# KiCad board Z3660_v023.kicad_pcb
title: Z3660 by sHaNsHe (Double H Tech); date: 2026-03-28; rev: v0.23; note: v0.21a Changed Array Networks / v0.21b Changed the 060 socket; note: v0.21c version wrongly named / v0.21d Changed fan header to right angle and three pins; note: v0.21e Top and bottom expanded 0.3 mm / v.022 Add CPLD programming with PCF8475; note: v0.23 Moved ZTurn 5mm towards the 060 and connected BOSS to DBG3
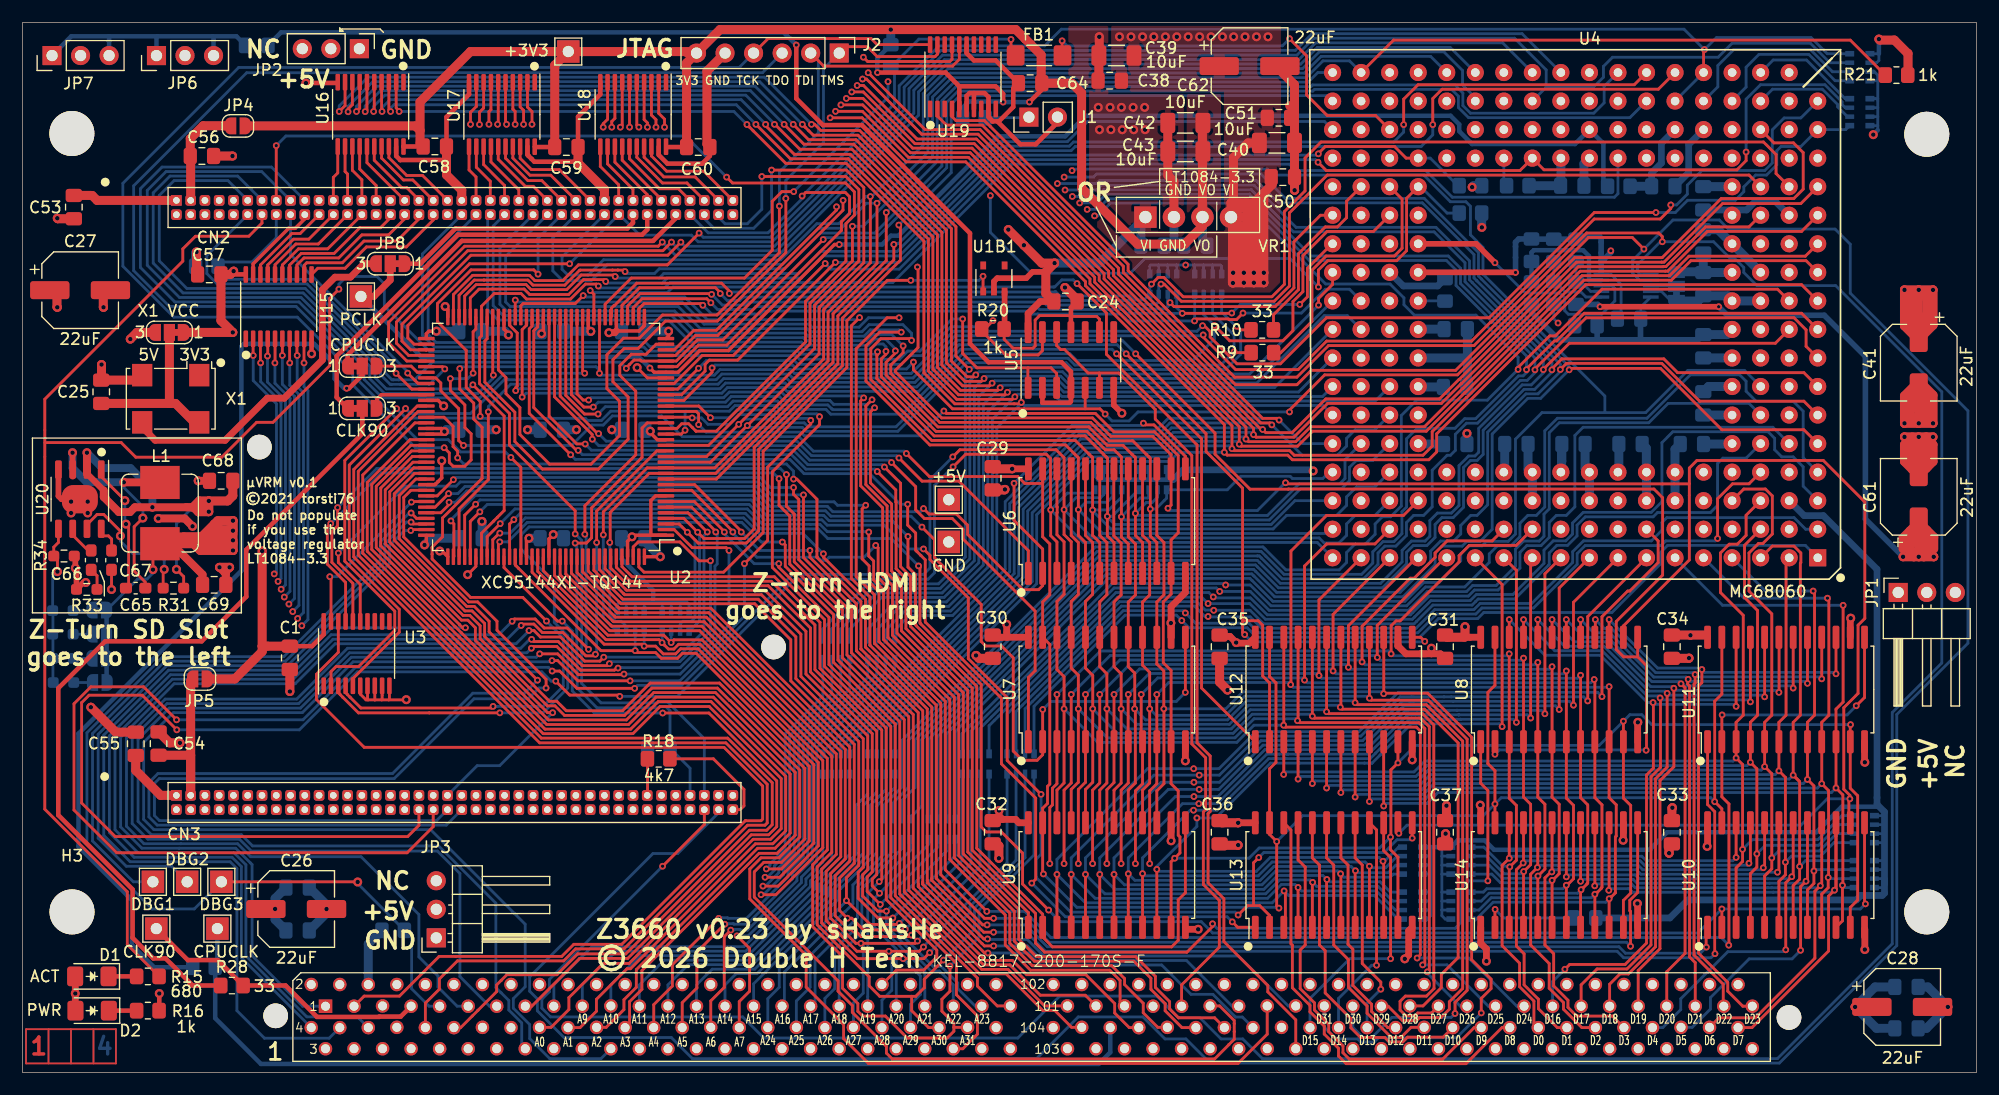
[diagram p0: board, top side]
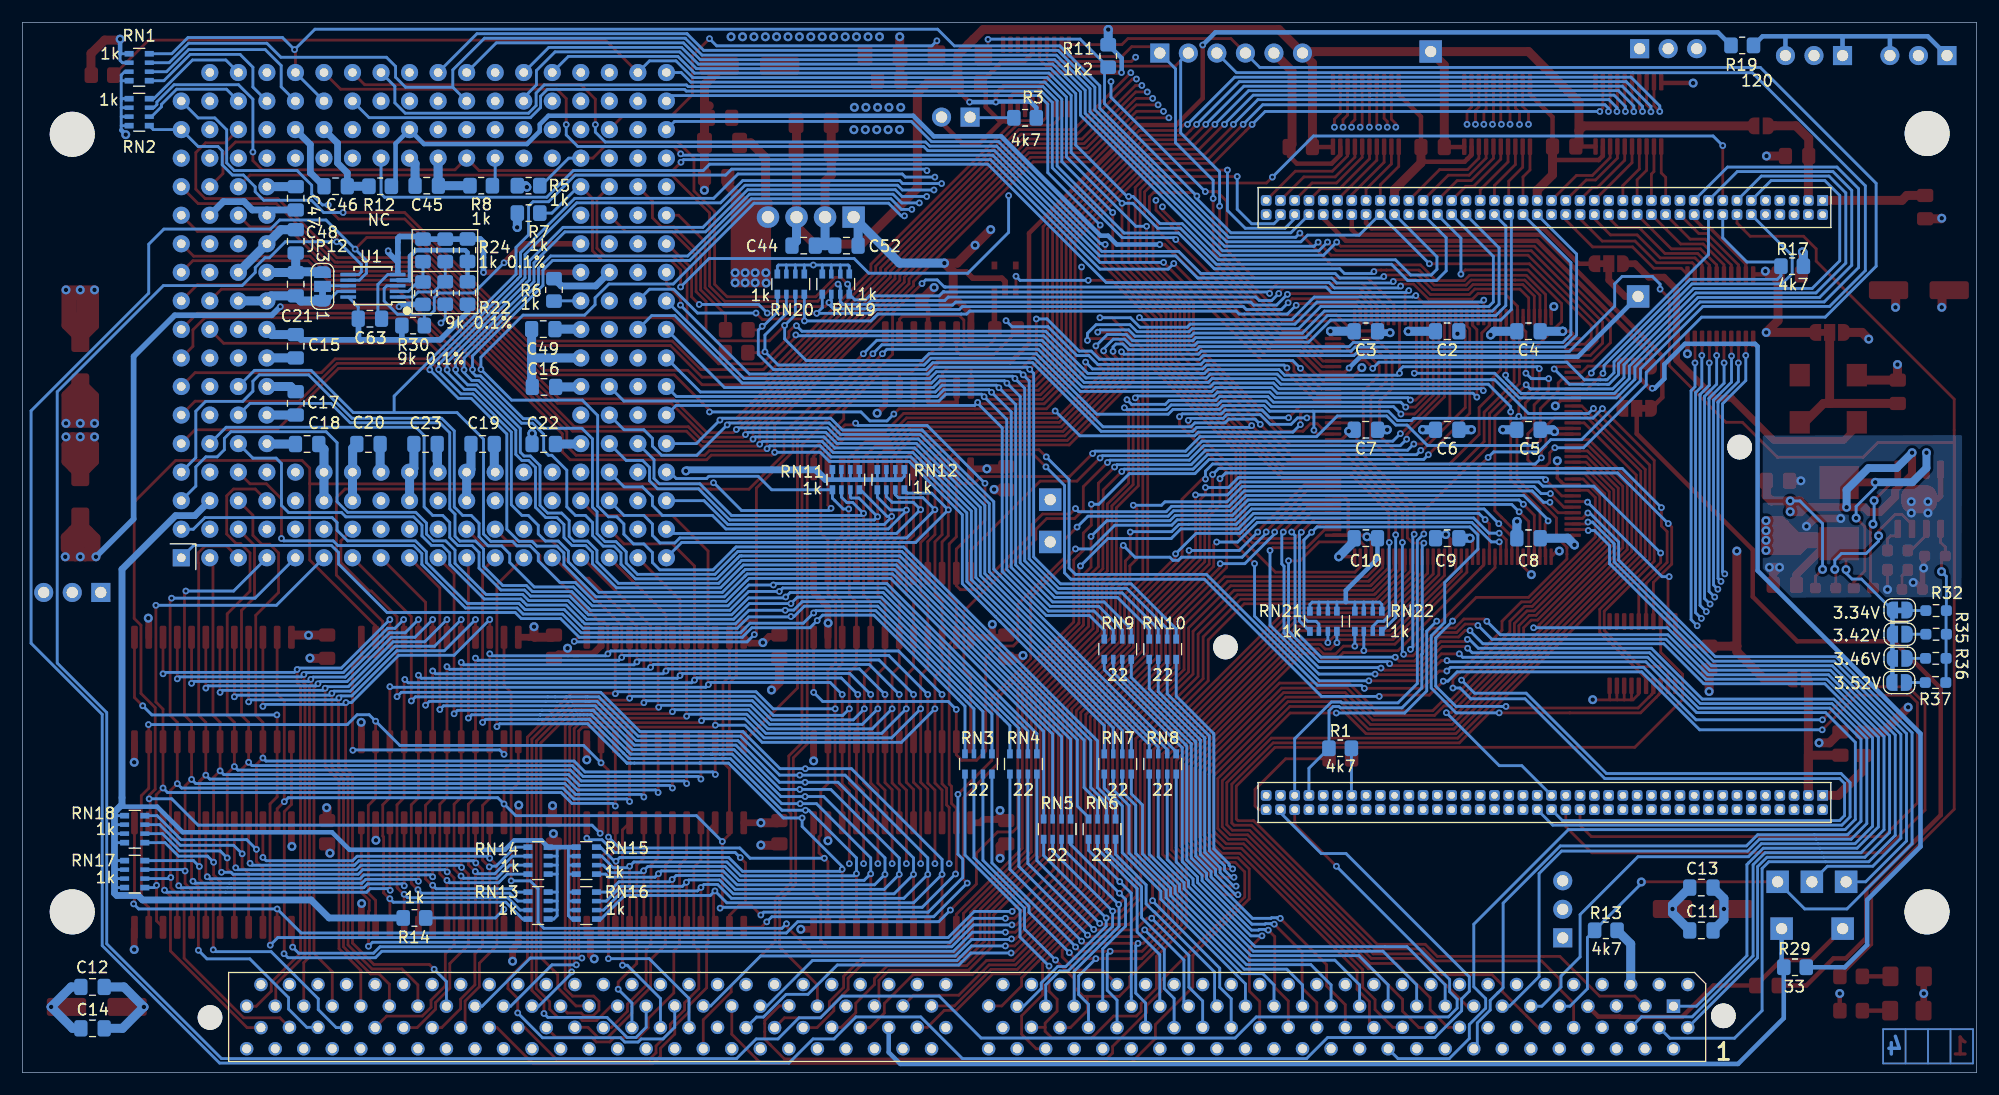
[diagram p1: board, bottom side, seen from below]

Outline 173.93 x 93.44 mm; copper layers: Top, In1.Cu, In2.Cu, Bottom. Coordinates in mm from the lower left corner of the outline.
Outline path: 0,93.44 173.93,93.44 173.93,0 0,0 0,93.44
Stack: Top 0.035mm / dielectric 0.48mm FR4 er 4.5 / In1.Cu 0.035mm / dielectric 0.48mm FR4 er 4.5 / In2.Cu 0.035mm / dielectric 0.48mm FR4 er 4.5 / Bottom 0.035mm

## Placement (name value [footprint] x y rotation side)
C1  100nF  [C_0805_2012Metric_Pad1.18x1.45mm_HandSolder]  23.79 36.9 270 top
C2  100nF  [C_0805_2012Metric_Pad1.18x1.45mm_HandSolder]  47.12 65.96 0 bottom
C3  100nF  [C_0805_2012Metric_Pad1.18x1.45mm_HandSolder]  54.36 65.96 0 bottom
C4  100nF  [C_0805_2012Metric_Pad1.18x1.45mm_HandSolder]  39.88 65.96 0 bottom
C5  100nF  [C_0805_2012Metric_Pad1.18x1.45mm_HandSolder]  39.88 57.2 180 bottom
C6  100nF  [C_0805_2012Metric_Pad1.18x1.45mm_HandSolder]  47.12 57.2 0 bottom
C7  100nF  [C_0805_2012Metric_Pad1.18x1.45mm_HandSolder]  54.36 57.2 0 bottom
C8  100nF  [C_0805_2012Metric_Pad1.18x1.45mm_HandSolder]  39.88 47.54 180 bottom
C9  100nF  [C_0805_2012Metric_Pad1.18x1.45mm_HandSolder]  47.12 47.54 180 bottom
C10  100nF  [C_0805_2012Metric_Pad1.18x1.45mm_HandSolder]  54.36 47.54 0 bottom
C11  100nF  [C_0805_2012Metric_Pad1.18x1.45mm_HandSolder]  24.49 12.64 0 bottom
C12  100nF  [C_0805_2012Metric_Pad1.18x1.45mm_HandSolder]  167.69 7.62 0 bottom
C13  100nF  [C_0805_2012Metric_Pad1.18x1.45mm_HandSolder]  24.49 16.45 0 bottom
C14  100nF  [C_0805_2012Metric_Pad1.18x1.45mm_HandSolder]  167.69 3.93 0 bottom
C15  100nF  [C_0805_2012Metric_Pad1.18x1.45mm_HandSolder]  149.61 64.63 270 bottom
C16  100nF  [C_0805_2012Metric_Pad1.18x1.45mm_HandSolder]  127.51 61.01 0 bottom
C17  100nF  [C_0805_2012Metric_Pad1.18x1.45mm_HandSolder]  149.61 59.55 270 bottom
C18  100nF  [C_0805_2012Metric_Pad1.18x1.45mm_HandSolder]  148.59 55.93 180 bottom
C19  100nF  [C_0805_2012Metric_Pad1.18x1.45mm_HandSolder]  132.97 55.93 0 bottom
C20  100nF  [C_0805_2012Metric_Pad1.18x1.45mm_HandSolder]  143.13 55.93 0 bottom
C21  100nF  [C_0805_2012Metric_Pad1.18x1.45mm_HandSolder]  149.61 70.15 270 bottom
C22  100nF  [C_0805_2012Metric_Pad1.18x1.45mm_HandSolder]  127.53 55.93 0 bottom
C23  100nF  [C_0805_2012Metric_Pad1.18x1.45mm_HandSolder]  138.05 55.93 0 bottom
C24  100nF  [C_0805_2012Metric_Pad1.18x1.45mm_HandSolder]  92.84 68.61 0 top
C25  100nF  [C_0805_2012Metric_Pad1.18x1.45mm_HandSolder]  7.01 60.57 90 top
C26  22uF  [CP_Elec_6.3x5.4]  24.36 14.55 0 top
C27  22uF  [CP_Elec_6.3x3.9]  5.13 69.62 0 top
C28  22uF  [CP_Elec_6.3x5.4]  167.31 5.84 0 top
C29  100nF  [C_0805_2012Metric_Pad1.18x1.45mm_HandSolder]  86.36 52.88 270 top
C30  100nF  [C_0805_2012Metric_Pad1.18x1.45mm_HandSolder]  86.36 37.89 270 top
C31  100nF  [C_0805_2012Metric_Pad1.18x1.45mm_HandSolder]  126.62 37.89 270 top
C32  100nF  [C_0805_2012Metric_Pad1.18x1.45mm_HandSolder]  86.36 21.38 270 top
C33  100nF  [C_0805_2012Metric_Pad1.18x1.45mm_HandSolder]  146.81 21.38 270 top
C34  100nF  [C_0805_2012Metric_Pad1.18x1.45mm_HandSolder]  146.81 37.89 270 top
C35  100nF  [C_0805_2012Metric_Pad1.18x1.45mm_HandSolder]  106.55 37.89 270 top
C36  100nF  [C_0805_2012Metric_Pad1.18x1.45mm_HandSolder]  106.55 21.38 270 top
C37  100nF  [C_0805_2012Metric_Pad1.18x1.45mm_HandSolder]  126.62 21.38 270 top
C38  100nF  [C_0805_2012Metric_Pad1.18x1.45mm_HandSolder]  96.77 88.26 180 top
C39  10uF  [C_1206_3216Metric_Pad1.33x1.80mm_HandSolder]  97.37 90.5 180 top
C40  10uF  [C_1206_3216Metric_Pad1.33x1.80mm_HandSolder]  111.66 82.72 0 top
C41  22uF  [CP_Elec_6.3x5.4]  168.78 63.17 270 top
C42  10uF  [C_1206_3216Metric_Pad1.33x1.80mm_HandSolder]  103.51 84.5 180 top
C43  10uF  [C_1206_3216Metric_Pad1.33x1.80mm_HandSolder]  103.51 81.96 180 top
C44  100nF  [C_0805_2012Metric_Pad1.18x1.45mm_HandSolder]  104.39 73.58 180 bottom
C45  100nF  [C_0805_2012Metric_Pad1.18x1.45mm_HandSolder]  137.94 78.91 0 bottom
C46  100nF  [C_0805_2012Metric_Pad1.18x1.45mm_HandSolder]  146.05 78.86 180 bottom
C47  100nF  [C_0805_2012Metric_Pad1.18x1.45mm_HandSolder]  149.61 77.79 270 bottom
C48  100nF  [C_0805_2012Metric_Pad1.18x1.45mm_HandSolder]  149.61 73.96 90 bottom
C49  100nF  [C_0805_2012Metric_Pad1.18x1.45mm_HandSolder]  127.57 66.15 0 bottom
C50  100nF  [C_0805_2012Metric_Pad1.18x1.45mm_HandSolder]  112.18 79.68 0 top
C51  100nF  [C_0805_2012Metric_Pad1.18x1.45mm_HandSolder]  111.84 84.96 0 top
C52  100nF  [C_0805_2012Metric_Pad1.18x1.45mm_HandSolder]  100.58 73.58 0 bottom
C53  100nF  [C_0805_2012Metric_Pad1.18x1.45mm_HandSolder]  4.57 77.01 270 top
C54  100nF  [C_0805_2012Metric_Pad1.18x1.45mm_HandSolder]  12.12 29.27 90 top
C55  100nF  [C_0805_2012Metric_Pad1.18x1.45mm_HandSolder]  10.08 29.25 90 top
C56  100nF  [C_0805_2012Metric_Pad1.18x1.45mm_HandSolder]  15.97 81.55 0 top
C57  100nF  [C_0805_2012Metric_Pad1.18x1.45mm_HandSolder]  16.63 71.02 180 top
C58  100nF  [C_0805_2012Metric_Pad1.18x1.45mm_HandSolder]  36.7 82.4 0 top
C59  100nF  [C_0805_2012Metric_Pad1.18x1.45mm_HandSolder]  48.41 82.35 0 top
C60  100nF  [C_0805_2012Metric_Pad1.18x1.45mm_HandSolder]  60.15 82.35 0 top
C61  22uF  [CP_Elec_6.3x5.4]  168.78 51.23 90 top
C62  22uF  [CP_Elec_6.3x5.4]  109.22 89.56 0 top
C63  100nF  [C_0805_2012Metric_Pad1.18x1.45mm_HandSolder]  143 67.08 180 bottom
C64  100nF  [C_0805_2012Metric_Pad1.18x1.45mm_HandSolder]  89.69 88.03 180 top
C65  10nF  [C_0603_1608Metric_Pad1.08x0.95mm_HandSolder]  10.07 43.11 0 top
C66  3.9nF  [C_0603_1608Metric_Pad1.08x0.95mm_HandSolder]  6.12 45.59 90 top
C67  100nF  [C_0603_1608Metric_Pad1.08x0.95mm_HandSolder]  7.93 45.59 90 top
C68  10uF  [C_0805_2012Metric_Pad1.18x1.45mm_HandSolder]  17.69 52.66 180 top
C69  22uF  [C_0805_2012Metric_Pad1.18x1.45mm_HandSolder]  17.07 43.4 0 top
CN1  KEL-8817-200-170S-F  [xIP-200]  89.84 6.85 0 bottom
CN2  Conn_02x40_Odd_Even  [PinHeader_2x40_P1.27mm_Vertical]  13.7 75.06 90 top
CN3  Conn_02x40_Odd_Even  [PinHeader_2x40_P1.27mm_Vertical_CN3]  13.7 22.12 90 top
D1  LED_Small_Green  [LED_1206_3216Metric_Pad1.42x1.75mm_HandSolder]  6.17 8.56 180 top
D2  LED_Small_Red  [LED_1206_3216Metric_Pad1.42x1.75mm_HandSolder]  6.2 5.51 180 top
DBG1  PCLK  [TestPoint_THTPad_2.0x2.0mm_Drill1.0mm]  11.61 16.97 180 top
DBG2  PCLK  [TestPoint_THTPad_2.0x2.0mm_Drill1.0mm]  14.66 16.97 0 top
DBG3  PCLK  [TestPoint_THTPad_2.0x2.0mm_Drill1.0mm]  17.71 16.97 180 top
FB1  Ferrite_Bead_Small  [Fuse_1806_4516Metric_Pad1.57x1.80mm_HandSolder]  90.49 90.5 0 top
H1  MountingHole  [MountingHole_4mm]  4.4 83.56 0 top
H2  MountingHole  [MountingHole_4mm]  169.5 83.49 0 top
H3  MountingHole  [MountingHole_4mm]  4.41 14.29 0 top
H4  MountingHole  [MountingHole_4mm]  169.5 14.29 0 top
H5  MountingHole  [MountingHole_2.2mm_M2]  22.53 5.05 0 top
H6  MountingHole  [MountingHole_2.2mm_M2]  157.23 4.9 0 top
H7  MountingHole  [MountingHole_2.2mm_M2]  66.85 37.87 0 top
H8  MountingHole  [MountingHole_2.2mm_M2]  21.09 55.66 0 top
J1  Jumper_2_Open  [PinHeader_1x02_P2.54mm_Vertical]  89.58 85.02 90 top
J2  JTAG  [PinHeader_1x06_P2.54mm_Vertical]  72.7 90.72 270 top
JP1  Jumper_NO_Small  [PinHeader_1x03_P2.54mm_Horizontal]  169.5 42.72 270 top
JP2  Jumper_3_Open  [PinHeader_1x03_P2.54mm_Vertical]  29.99 91.11 270 top
JP3  Jumper_NO_Small  [PinHeader_1x03_P2.54mm_Horizontal]  36.83 14.52 0 top
JP4  BRIDGE_3V3  [SolderJumper-2_P1.3mm_Open_RoundedPad1.0x1.5mm]  19.18 84.23 0 top
JP5  BRIDGE_3V3  [SolderJumper-2_P1.3mm_Open_RoundedPad1.0x1.5mm]  15.8 35.02 0 top
JP6  Jumper_3_Open  [PinHeader_1x03_P2.54mm_Vertical]  11.93 90.49 90 top
JP7  Jumper_3_Open  [PinHeader_1x03_P2.54mm_Vertical]  2.63 90.49 90 top
JP8  SolderJumper_3_Bridged12  [SolderJumper-3_P1.3mm_Bridged12_RoundedPad1.0x1.5mm_NumberLabels]  32.74 71.97 180 top
JP9  SolderJumper_3_Bridged12  [SolderJumper-3_P1.3mm_Bridged12_RoundedPad1.0x1.5mm_NumberLabels]  30.25 59.1 0 top
JP10  SolderJumper_3_Bridged12  [SolderJumper-3_P1.3mm_Bridged12_RoundedPad1.0x1.5mm_NumberLabels]  30.25 62.86 0 top
JP11  SolderJumper_3_Bridged12  [SolderJumper-3_P1.3mm_Bridged12_RoundedPad1.0x1.5mm_NumberLabels]  13.08 65.86 180 top
JP12  SolderJumper_3_Bridged12  [SolderJumper-3_P1.3mm_Bridged12_RoundedPad1.0x1.5mm_NumberLabels]  147.22 69.95 90 bottom
JP13  SolderJumper_2_Open  [small_SolderJumper-2_P1.3mm_Open_RoundedPad1.0x1.5mm]  6.84 41.16 180 bottom
JP14  SolderJumper_2_Open  [small_SolderJumper-2_P1.3mm_Open_RoundedPad1.0x1.5mm]  6.84 39.01 180 bottom
JP15  SolderJumper_2_Open  [small_SolderJumper-2_P1.3mm_Open_RoundedPad1.0x1.5mm]  6.84 36.86 180 bottom
JP16  SolderJumper_2_Open  [small_SolderJumper-2_P1.3mm_Open_RoundedPad1.0x1.5mm]  6.89 34.7 180 bottom
L1  10uH  [L_Bourns_SRP7028A_7.3x6.6mm]  12.24 49.78 90 top
NT1  NetTie_2  [NetTie-2_SMD_Pad0.5mm]  140.51 73.43 270 bottom
NT2  NetTie_2  [NetTie-2_SMD_Pad0.5mm]  142.19 65.2 180 bottom
NT3  NetTie_2  [NetTie-2_SMD_Pad0.5mm]  132.89 73.01 270 bottom
NT4  NetTie_2  [NetTie-2_SMD_Pad0.5mm]  6.78 41.12 180 bottom
R1  4k7  [R_0805_2012Metric_Pad1.20x1.40mm_HandSolder]  56.64 28.85 180 bottom
R3  4k7  [R_0805_2012Metric_Pad1.20x1.40mm_HandSolder]  84.69 84.96 180 bottom
R5  1k  [R_0805_2012Metric_Pad1.20x1.40mm_HandSolder]  128.88 78.91 180 bottom
R6  1k  [R_0805_2012Metric_Pad1.20x1.40mm_HandSolder]  126.62 69.64 270 bottom
R7  1k  [R_0805_2012Metric_Pad1.20x1.40mm_HandSolder]  128.88 76.47 180 bottom
R8  1k  [R_0805_2012Metric_Pad1.20x1.40mm_HandSolder]  133.1 78.91 180 bottom
R9  33  [R_0805_2012Metric_Pad1.20x1.40mm_HandSolder]  110.36 64.05 180 top
R10  33  [R_0805_2012Metric_Pad1.20x1.40mm_HandSolder]  110.35 66.09 180 top
R11  1k2  [R_0805_2012Metric_Pad1.20x1.40mm_HandSolder]  77.29 90.46 90 bottom
R12  NC  [R_0805_2012Metric_Pad1.20x1.40mm_HandSolder]  142.09 78.86 0 bottom
R13  4k7  [R_0805_2012Metric_Pad1.20x1.40mm_HandSolder]  32.99 12.66 180 bottom
R14  1k  [R_0805_2012Metric_Pad1.20x1.40mm_HandSolder]  139.04 13.76 180 bottom
R15  680  [R_0805_2012Metric_Pad1.20x1.40mm_HandSolder]  11.16 8.56 180 top
R16  1k  [R_0805_2012Metric_Pad1.20x1.40mm_HandSolder]  11.16 5.51 180 top
R17  4k7  [R_0805_2012Metric_Pad1.20x1.40mm_HandSolder]  16.41 71.75 0 bottom
R18  4k7  [R_0805_2012Metric_Pad1.20x1.40mm_HandSolder]  56.63 27.92 0 top
R19  120  [R_0805_2012Metric_Pad1.20x1.40mm_HandSolder]  20.85 91.4 180 bottom
R20  1k  [R_0805_2012Metric_Pad1.20x1.40mm_HandSolder]  86.38 66.16 0 top
R21  1k  [R_0805_2012Metric_Pad1.20x1.40mm_HandSolder]  166.8 88.75 0 top
R22  9k 0.1%  [R_0805_2012Metric_Pad1.20x1.40mm_HandSolder]  134.32 69.36 270 bottom
R23  1k 0.1%  [R_0805_2012Metric_Pad1.20x1.40mm_HandSolder]  136.3 73.16 270 bottom
R24  1k 0.1%  [R_0805_2012Metric_Pad1.20x1.40mm_HandSolder]  134.32 73.17 270 bottom
R25  1k 0.1%  [R_0805_2012Metric_Pad1.20x1.40mm_HandSolder]  138.28 73.16 270 bottom
R26  9k 0.1%  [R_0805_2012Metric_Pad1.20x1.40mm_HandSolder]  138.28 69.35 270 bottom
R27  9k 0.1%  [R_0805_2012Metric_Pad1.20x1.40mm_HandSolder]  136.3 69.36 270 bottom
R28  33  [R_0805_2012Metric_Pad1.20x1.40mm_HandSolder]  18.64 7.74 0 top
R29  33  [R_0805_2012Metric_Pad1.20x1.40mm_HandSolder]  16.15 9.37 0 bottom
R30  9k 0.1%  [R_0805_2012Metric_Pad1.20x1.40mm_HandSolder]  139.16 66.47 0 bottom
R31  100k  [R_0603_1608Metric_Pad0.98x0.95mm_HandSolder]  13.44 43.11 0 top
R32  26.1k*  [R_0603_1608Metric_Pad0.98x0.95mm_HandSolder]  3.6 41.11 0 bottom
R33  6.8k  [R_0603_1608Metric_Pad0.98x0.95mm_HandSolder]  5.72 42.99 180 top
R34  10k  [R_0603_1608Metric_Pad0.98x0.95mm_HandSolder]  3.7 45.96 0 top
R35  27.0k  [R_0603_1608Metric_Pad0.98x0.95mm_HandSolder]  3.6 39.01 0 bottom
R36  27.4k  [R_0603_1608Metric_Pad0.98x0.95mm_HandSolder]  3.62 36.86 0 bottom
R37  28.0k  [R_0603_1608Metric_Pad0.98x0.95mm_HandSolder]  3.65 34.7 0 bottom
RN1  1k  [R_Array_Convex_4x0603]  163.54 89.46 180 bottom
RN2  1k  [R_Array_Convex_4x0603]  163.54 85.46 180 bottom
RN3  22  [R_Array_Convex_4x0603]  88.84 27.45 90 bottom
RN4  22  [R_Array_Convex_4x0603]  84.84 27.45 90 bottom
RN5  22  [R_Array_Convex_4x0603]  81.84 21.66 90 bottom
RN6  22  [R_Array_Convex_4x0603]  77.84 21.66 90 bottom
RN7  22  [R_Array_Convex_4x0603]  76.44 27.45 90 bottom
RN8  22  [R_Array_Convex_4x0603]  72.44 27.45 90 bottom
RN9  22  [R_Array_Convex_4x0603]  76.44 37.67 90 bottom
RN10  22  [R_Array_Convex_4x0603]  72.44 37.67 90 bottom
RN11  1k  [R_Array_Convex_4x0603]  100.64 52.76 270 bottom
RN12  1k  [R_Array_Convex_4x0603]  96.64 52.76 270 bottom
RN13  1k  [R_Array_Convex_4x0603]  128.04 14.86 0 bottom
RN14  1k  [R_Array_Convex_4x0603]  128.04 18.86 0 bottom
RN15  1k  [R_Array_Convex_4x0603]  123.74 18.86 180 bottom
RN16  1k  [R_Array_Convex_4x0603]  123.74 14.86 180 bottom
RN17  1k  [R_Array_Convex_4x0603]  163.94 17.66 180 bottom
RN18  1k  [R_Array_Convex_4x0603]  163.94 21.66 180 bottom
RN19  1k  [R_Array_Convex_4x0603]  101.54 70.16 270 bottom
RN20  1k  [R_Array_Convex_4x0603]  105.54 70.16 270 bottom
RN21  1k  [R_Array_Convex_4x0603]  58.14 40.16 270 bottom
RN22  1k  [R_Array_Convex_4x0603]  54.14 40.16 270 bottom
TP1  +3V3  [TestPoint_THTPad_2.0x2.0mm_Drill1.0mm]  48.58 90.85 0 top
TP4  +5V  [TestPoint_THTPad_2.0x2.0mm_Drill1.0mm]  82.45 50.97 0 top
TP8  GND  [TestPoint_THTPad_2.0x2.0mm_Drill1.0mm]  82.45 47.21 180 top
TP9  PCLK  [TestPoint_THTPad_2.0x2.0mm_Drill1.0mm]  30.12 69.06 0 top
TP10  CLK90  [TestPoint_THTPad_2.0x2.0mm_Drill1.0mm]  11.91 12.81 0 top
TP11  CPUCLK  [TestPoint_THTPad_2.0x2.0mm_Drill1.0mm]  17.35 12.81 0 top
U1  LTC2990  [MSOP-10_3x3mm_P0.5mm]  142.73 70.01 0 bottom
U1B1  BU4942  [TSOP-5_1.65x3.05mm_P0.95mm]  86.47 70.66 90 top
U2  XC95144XL-TQ144  [TQFP-144_20x20mm_P0.5mm]  46.61 56.56 180 top
U3  SN74CB3T3245PW  [TSSOP-20_4.4x6.5mm_P0.65mm]  29.74 37.28 90 top
U4  MC68060  [PGA226]  136.93 83.9 0 top
U5  7407  [SOIC-14_3.9x8.7mm_P1.27mm]  93.32 63.4 90 top
U6  74FCT543A  [SOIC-24W_7.5x15.4mm_P1.27mm]  96.52 49.07 90 top
U7  74FCT543A  [SOIC-24W_7.5x15.4mm_P1.27mm]  96.52 34.08 90 top
U8  74FCT543A  [SOIC-24W_7.5x15.4mm_P1.27mm]  136.78 34.08 90 top
U9  74FCT543A  [SOIC-24W_7.5x15.4mm_P1.27mm]  96.52 17.57 90 top
U10  74FCT543A  [SOIC-24W_7.5x15.4mm_P1.27mm]  156.97 17.57 90 top
U11  74FCT543A  [SOIC-24W_7.5x15.4mm_P1.27mm]  156.97 34.08 90 top
U12  74FCT543A  [SOIC-24W_7.5x15.4mm_P1.27mm]  116.71 34.08 90 top
U13  74FCT543A  [SOIC-24W_7.5x15.4mm_P1.27mm]  116.71 17.57 90 top
U14  74FCT543A  [SOIC-24W_7.5x15.4mm_P1.27mm]  136.78 17.57 90 top
U15  SN74CB3T3245PW  [TSSOP-20_4.4x6.5mm_P0.65mm]  22.81 68.15 90 top
U16  SN74CB3T3245PW  [TSSOP-20_4.4x6.5mm_P0.65mm]  30.99 85.26 270 top
U17  SN74CB3T3245PW  [TSSOP-20_4.4x6.5mm_P0.65mm]  42.67 85.25 270 top
U18  SN74CB3T3245PW  [TSSOP-20_4.4x6.5mm_P0.65mm]  54.36 85.25 270 top
U19  PCF8574TS  [TSSOP-20_4.4x6.5mm_P0.65mm]  83.71 88.61 90 top
U20  MP2307  [SOIC-8-1EP_3.9x4.9mm_P1.27mm_EP2.514x3.2mm]  5.11 51.02 270 top
VR1  LT1084-3.3_EXTENDED  [Regulador_DCDC]  99.95 76.12 0 top
X1  IQXO-70  [Oscillator_SMD_IQD_IQXO70-4Pin_7.5x5.0mm]  13.2 59.96 180 top

## Library data of the parts
C1-C25 C29-C38 C44-C60 C63-C67 = -: ki_fp_filters: C_*
C26-C28 C39-C43 C61 C62 = -: ki_fp_filters: CP_*
C68 = -: LCSC: C440198; ki_fp_filters: C_*
C69 = -: LCSC: C45783; ki_fp_filters: C_*
CN2 CN3 = -: ki_fp_filters: Connector*:*_2x??_*
D1 D2 = -: ki_fp_filters: LED* LED_SMD:* LED_THT:*
DBG1-DBG3 TP1 TP4 TP8-TP11 = -: ki_fp_filters: Pin* Test*
FB1 = -: ki_fp_filters: Inductor_* L_* *Ferrite*
H1-H8 = -: ki_fp_filters: MountingHole*
J1 = -: ki_fp_filters: Jumper* TestPoint*2Pads* TestPoint*Bridge*
J2 = -: Description: Generic connector, single row, 01x06, script generated (kicad-library-utils/schlib/autogen/connector/); ki_fp_filters: Connector*:*_1x??_*
JP1-JP3 = -: ki_fp_filters: SolderJumper*Open* Jumper* TestPoint*2Pads* TestPoint*Bridge*
JP4 JP5 JP13-JP16 = -: ki_fp_filters: SolderJumper*Open*
JP6 JP7 = -: ki_fp_filters: Jumper* TestPoint*3Pads* TestPoint*Bridge*
JP8-JP12 = -: ki_fp_filters: SolderJumper*Bridged12*
L1 = -: LCSC: C128692; ki_fp_filters: Choke_* *Coil* Inductor_* L_*
NT1-NT4 = -: ki_fp_filters: Net*Tie*
R1 R3 R5-R35 R37 = -: ki_fp_filters: R_*
R36 = -: LCSC: C2933186; ki_fp_filters: R_*
RN1-RN22 = -: ki_fp_filters: DIP* SOIC* R*Array*Concave* R*Array*Convex*
U1 = -: Datasheet: https://www.analog.com/media/en/technical-documentation/data-sheets/ltc2990.pdf; ki_fp_filters: MSOP*3x3mm*P0.5mm*
U1B1 = -: Datasheet: https://fscdn.rohm.com/en/products/databook/datasheet/ic/power/voltage_detector/bu48xxg-e.pdf; ki_fp_filters: SOT?23*
U2 = -: Datasheet: https://www.xilinx.com/support/documentation/data_sheets/ds056.pdf; ki_fp_filters: TQFP*20x20mm*P0.5mm*
U3 U15-U18 = -: Datasheet: https://www.ti.com/lit/ds/symlink/sn74cb3t3245.pdf; ki_fp_filters: DIP?20*
U5 = -: Datasheet: www.st.com/resource/en/datasheet/74lcx07.pdf; ki_fp_filters: SOIC*3.9x8.7mm*P1.27mm* TSSOP*4.4x5mm*P0.65mm* DIP*W7.62mm*
U19 = -: Datasheet: http://www.nxp.com/docs/en/data-sheet/PCF8574_PCF8574A.pdf; ki_fp_filters: SSOP*4.4x6.5mm*P0.65mm*
U20 = -: Datasheet: https://www.monolithicpower.com/en/documentview/productdocument/index/version/2/document_type/Datasheet/lang/en/sku/MP2307/document_id/503/; ki_fp_filters: SOIC*3.9x4.9mm*P1.27mm*
VR1 = -: Datasheet: https://www.analog.com/media/en/technical-documentation/data-sheets/1083ffe.pdf; ki_fp_filters: TO?220* TO?263*
X1 = -: Datasheet: http://www.iqdfrequencyproducts.com/products/details/iqxo-70-11-30.pdf; ki_fp_filters: Oscillator*SMD*IQD*IQXO70*7.5x5.0mm*

## Footprints (pads in the part's own frame, mm; a bottom-side part is the same pattern mirrored in y, then rotated)
C_0603_1608Metric_Pad1.08x0.95mm_HandSolder
  rrect 1.075x0.95 smd: 1(-0.863,0) 2(0.863,0)
C_0805_2012Metric_Pad1.18x1.45mm_HandSolder
  rrect 1.175x1.45 smd: 1(-1.038,0) 2(1.038,0)
C_1206_3216Metric_Pad1.33x1.80mm_HandSolder
  rrect 1.325x1.8 smd: 1(-1.562,0) 2(1.562,0)
CP_Elec_6.3x3.9
  rrect 3.5x1.6 smd: 1(-2.7,0) 2(2.7,0)
CP_Elec_6.3x5.4
  rrect 3.5x1.6 smd: 1(-2.7,0) 2(2.7,0)
Fuse_1806_4516Metric_Pad1.57x1.80mm_HandSolder
  rrect 1.575x1.8 smd: 1(-2.087,0) 2(2.087,0)
L_Bourns_SRP7028A_7.3x6.6mm
  rect 2.95x3.5 smd: 1(-2.725,0) 2(2.725,0)
LED_1206_3216Metric_Pad1.42x1.75mm_HandSolder
  rrect 1.425x1.75 smd: 1(-1.488,0) 2(1.488,0)
MountingHole_2.2mm_M2
  round 2.2 hole 2.2 unplated: (0,0)
MountingHole_4mm
  round 4 hole 4 unplated: (0,0)
MSOP-10_3x3mm_P0.5mm
  rect 1.4x0.3 smd: 1(-2.2,1) 2(-2.2,0.5) 3(-2.2,0) 4(-2.2,-0.5) 5(-2.2,-1) 6(2.2,-1) 7(2.2,-0.5) 8(2.2,0) 9(2.2,0.5) 10(2.2,1)
NetTie-2_SMD_Pad0.5mm
  round 0.5 smd: 1(-0.5,0) 2(0.5,0)
Oscillator_SMD_IQD_IQXO70-4Pin_7.5x5.0mm
  rect 1.8x2 smd: 1(-2.54,-2.1) 2(2.54,-2.1) 3(2.54,2.1) 4(-2.54,2.1)
PGA226
  round 1.524 hole 0.762: 0(-10.16,-30.48) 0(-7.62,-30.48) 0(12.7,-30.48) 0(15.24,-30.48) 2(20.32,-38.1) 3(17.78,-38.1) 4(15.24,-38.1) 5(12.7,-38.1) 6(10.16,-38.1) 7(7.62,-38.1) 8(5.08,-38.1) 9(2.54,-38.1) 10(0,-38.1) 11(-2.54,-38.1) 12(-5.08,-38.1) 13(-7.62,-38.1) 14(-10.16,-38.1) 15(-12.7,-38.1) 16(-15.24,-38.1) 17(-17.78,-38.1) 18(-20.32,-38.1) 19(22.86,-35.56) 20(-2.54,-30.48) 20(2.54,-30.48) 20(7.62,-30.48) 20(10.16,-30.48) 20(15.24,-7.62) 20(15.24,-10.16) 20(15.24,-15.24) 20(20.32,-35.56) 21(17.78,-35.56) 22(15.24,-35.56) 23(12.7,-35.56) 24(10.16,-35.56) 25(7.62,-35.56) 26(5.08,-35.56) 27(2.54,-35.56) 28(0,-35.56) 29(-2.54,-35.56) 30(-5.08,-35.56) 31(-7.62,-35.56) 32(-10.16,-35.56) 33(-12.7,-35.56) 34(-15.24,-35.56) 35(-17.78,-35.56) 36(-20.32,-35.56) 37(22.86,-33.02) 38(20.32,-33.02) 39(17.78,-33.02) 40(15.24,-33.02) 41(12.7,-33.02) 42(10.16,-33.02) 43(7.62,-33.02) 44(5.08,-33.02) 45(2.54,-33.02) 46(0,-33.02) 47(-2.54,-33.02) 48(-5.08,-33.02) 49(-7.62,-33.02) 50(-10.16,-33.02) 51(-12.7,-33.02) 52(-15.24,-33.02) 53(-17.78,-33.02) 54(-20.32,-33.02) 55(22.86,-30.48) 56(20.32,-30.48) 57(17.78,-30.48) 58(-15.24,-30.48) 59(-17.78,-30.48) 60(-20.32,-30.48) 61(22.86,-27.94) 62(20.32,-27.94) 63(17.78,-27.94) 64(-15.24,-27.94) 65(-17.78,-27.94) 66(-20.32,-27.94) 67(22.86,-25.4) 68(20.32,-25.4) 69(17.78,-25.4) 70(-15.24,-25.4) 71(-17.78,-25.4) 72(-20.32,-25.4) 73(22.86,-22.86) 74(20.32,-22.86) 75(17.78,-22.86) 76(-15.24,-22.86) 77(-17.78,-22.86) 78(-20.32,-22.86) 79(22.86,-20.32) 80(20.32,-20.32) 81(17.78,-20.32) 82(-15.24,-20.32) 83(-17.78,-20.32) 84(-20.32,-20.32) 85(22.86,-17.78) 86(20.32,-17.78) 87(17.78,-17.78) 88(-15.24,-17.78) 89(-17.78,-17.78) 90(-20.32,-17.78) 91(22.86,-15.24) 92(20.32,-15.24) 93(17.78,-15.24) 94(-15.24,-15.24) 95(-17.78,-15.24) 96(-20.32,-15.24) 97(22.86,-12.7) 98(20.32,-12.7) 99(17.78,-12.7) 100(-15.24,-12.7) 101(-17.78,-12.7) 102(-20.32,-12.7) 103(22.86,-10.16) 104(20.32,-10.16) 105(17.78,-10.16) 106(-15.24,-10.16) 107(-17.78,-10.16) 108(-20.32,-10.16) 109(22.86,-7.62) 110(20.32,-7.62) 111(17.78,-7.62) 112(-15.24,-7.62) 113(-17.78,-7.62) 114(-20.32,-7.62) 115(22.86,-5.08) 116(20.32,-5.08) 117(17.78,-5.08) 118(-15.24,-5.08) 119(-17.78,-5.08) 120(-20.32,-5.08) 121(22.86,-2.54) 122(20.32,-2.54) 123(17.78,-2.54) 124(-15.24,-2.54) 125(-17.78,-2.54) 126(-20.32,-2.54) 127(22.86,0) 128(20.32,0) 129(17.78,0) 130(15.24,0) 131(12.7,0) 132(10.16,0) 133(7.62,0) 134(5.08,0) 135(2.54,0) 136(0,0) 137(-2.54,0) 138(-5.08,0) 139(-7.62,0) 140(-10.16,0) 141(-12.7,0) 142(-15.24,0) 143(-17.78,0) 144(-20.32,0) 145(22.86,2.54) 146(20.32,2.54) 147(17.78,2.54) 148(15.24,2.54) 149(12.7,2.54) 150(10.16,2.54) 151(7.62,2.54) 152(5.08,2.54) 153(2.54,2.54) 154(0,2.54) 155(-2.54,2.54) 156(-5.08,2.54) 157(-7.62,2.54) 158(-10.16,2.54) 159(-12.7,2.54) 160(-15.24,2.54) 161(-17.78,2.54) 162(-20.32,2.54) 163(20.32,5.08) 164(17.78,5.08) 165(15.24,5.08) 166(12.7,5.08) 167(10.16,5.08) 168(7.62,5.08) 169(5.08,5.08) 170(2.54,5.08) 171(0,5.08) 172(-2.54,5.08) 173(-5.08,5.08) 174(-7.62,5.08) 175(-10.16,5.08) 176(-12.7,5.08) 177(-15.24,5.08) 178(-17.78,5.08) 179(-20.32,5.08) 180(5.08,-30.48) 181(0,-30.48) 182(-5.08,-30.48) 183(-12.7,-30.48) 184(15.24,-27.94) 185(-12.7,-27.94) 186(15.24,-25.4) 187(-12.7,-25.4) 188(15.24,-22.86) 189(-12.7,-22.86) 190(15.24,-20.32) 191(-12.7,-20.32) 192(15.24,-17.78) 193(-12.7,-17.78) 194(-12.7,-15.24) 195(15.24,-12.7) 196(-12.7,-12.7) 197(-12.7,-10.16) 198(-12.7,-7.62) 199(15.24,-5.08) 200(-12.7,-5.08) 201(15.24,-2.54) 202(12.7,-2.54) 203(10.16,-2.54) 204(7.62,-2.54) 205(5.08,-2.54) 206(2.54,-2.54) 207(0,-2.54) 208(-2.54,-2.54) 209(-5.08,-2.54) 210(-7.62,-2.54) 211(-10.16,-2.54) 212(-12.7,-2.54)
  rect 1.524x1.524 hole 0.762: 1(22.86,-38.1)
PinHeader_1x02_P2.54mm_Vertical
  rect 1.7x1.7 hole 1: 1(0,0)
  oval 1.7x1.7 hole 1: 2(0,-2.54)
PinHeader_1x03_P2.54mm_Horizontal
  rect 1.7x1.7 hole 1: 1(0,-2.54)
  oval 1.7x1.7 hole 1: 2(0,0) 3(0,2.54)
PinHeader_1x03_P2.54mm_Vertical
  rect 1.7x1.7 hole 1: 1(0,0)
  oval 1.7x1.7 hole 1: 2(0,-2.54) 3(0,-5.08)
PinHeader_1x06_P2.54mm_Vertical
  rect 1.7x1.7 hole 1: 1(0,0)
  round 1.7 hole 1: 2(0,-2.54) 3(0,-5.08) 4(0,-7.62) 5(0,-10.16) 6(0,-12.7)
PinHeader_2x40_P1.27mm_Vertical
  rect 0.95x0.95 hole 0.6: 1(2.54,0)
  rrect 0.95x0.95 hole 0.6: 2(1.27,0) 3(2.54,-1.27) 4(1.27,-1.27) 5(2.54,-2.54) 6(1.27,-2.54) 7(2.54,-3.81) 8(1.27,-3.81) 9(2.54,-5.08) 10(1.27,-5.08) 11(2.54,-6.35) 12(1.27,-6.35) 13(2.54,-7.62) 14(1.27,-7.62) 15(2.54,-8.89) 16(1.27,-8.89) 17(2.54,-10.16) 18(1.27,-10.16) 19(2.54,-11.43) 20(1.27,-11.43) 21(2.54,-12.7) 22(1.27,-12.7) 23(2.54,-13.97) 24(1.27,-13.97) 25(2.54,-15.24) 26(1.27,-15.24) 27(2.54,-16.51) 28(1.27,-16.51) 29(2.54,-17.78) 30(1.27,-17.78) 31(2.54,-19.05) 32(1.27,-19.05) 33(2.54,-20.32) 34(1.27,-20.32) 35(2.54,-21.59) 36(1.27,-21.59) 37(2.54,-22.86) 38(1.27,-22.86) 39(2.54,-24.13) 40(1.27,-24.13) 41(2.54,-25.4) 42(1.27,-25.4) 43(2.54,-26.67) 44(1.27,-26.67) 45(2.54,-27.94) 46(1.27,-27.94) 47(2.54,-29.21) 48(1.27,-29.21) 49(2.54,-30.48) 50(1.27,-30.48) 51(2.54,-31.75) 52(1.27,-31.75) 53(2.54,-33.02) 54(1.27,-33.02) 55(2.54,-34.29) 56(1.27,-34.29) 57(2.54,-35.56) 58(1.27,-35.56) 59(2.54,-36.83) 60(1.27,-36.83) 61(2.54,-38.1) 62(1.27,-38.1) 63(2.54,-39.37) 64(1.27,-39.37) 65(2.54,-40.64) 66(1.27,-40.64) 67(2.54,-41.91) 68(1.27,-41.91) 69(2.54,-43.18) 70(1.27,-43.18) 71(2.54,-44.45) 72(1.27,-44.45) 73(2.54,-45.72) 74(1.27,-45.72) 75(2.54,-46.99) 76(1.27,-46.99) 77(2.54,-48.26) 78(1.27,-48.26) 79(2.54,-49.53) 80(1.27,-49.53)